# Altium PCB AC Current Sensor (Multicanal).PcbDoc
Units mm, origin at the board's own origin, x right, y up, seen from the top; angles counter-clockwise.
Board outline 100 x 50 mm, 2 copper layers (Top Layer, Bottom Layer); 6 components, 2 nets, 57 pads, 160 vias.
Unrouted connection lines stored in the file: 8.
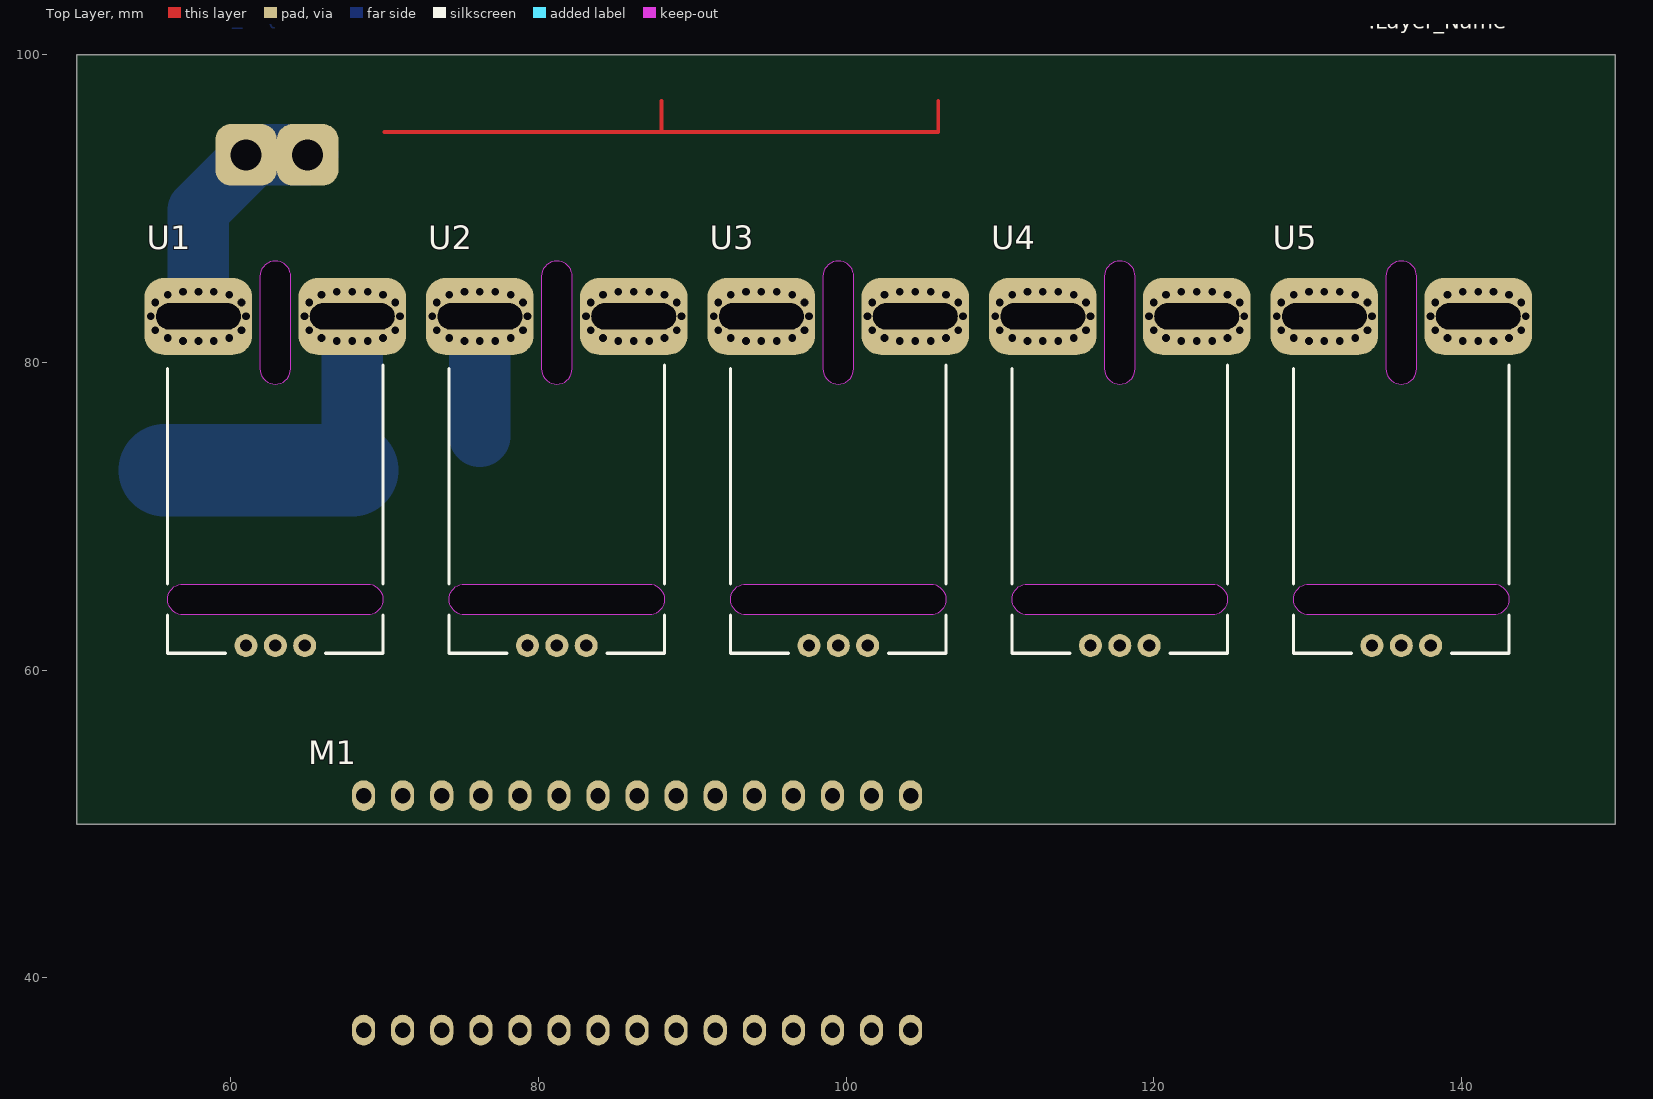
[diagram p0: Top Layer view]
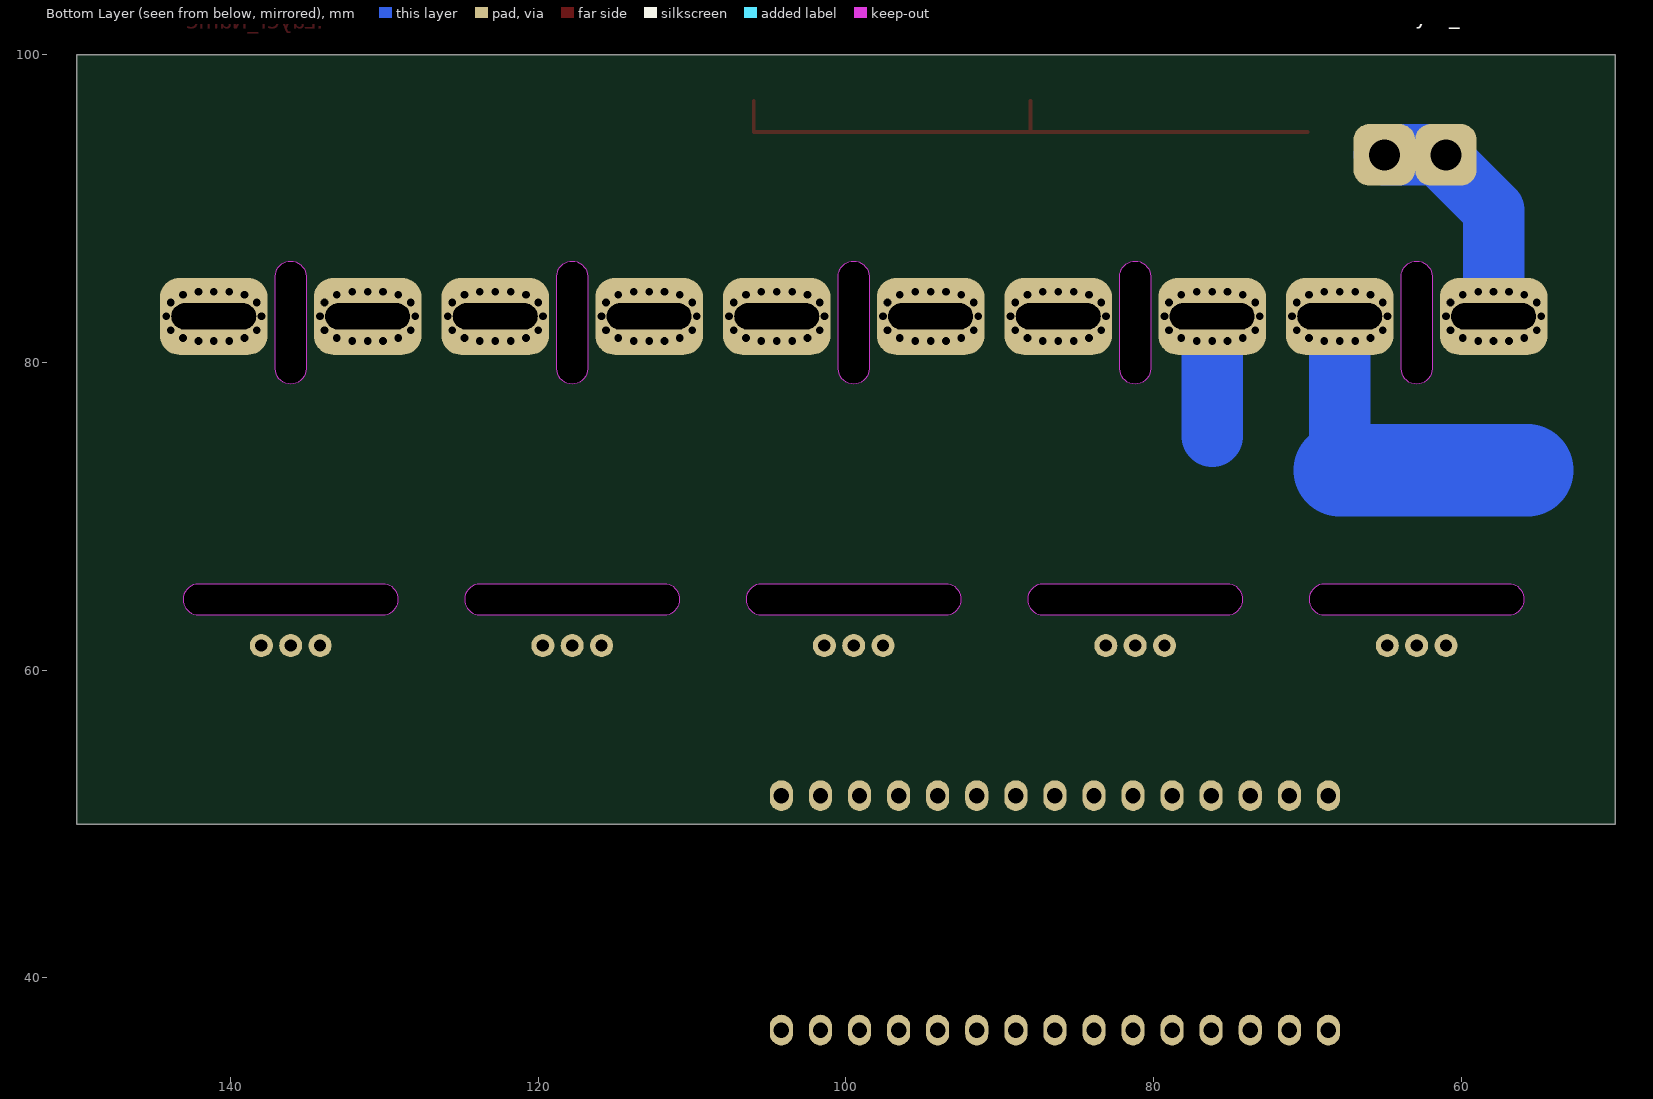
[diagram p1: Bottom Layer view, seen from below]

## Layer stack, top to bottom
Top Solder: solder mask 0.0102, Solder Resist, Dk 3.5
Top Layer: signal copper 0.0356
Dielectric 1: dielectric 0.32, FR-4, Dk 4.8
Bottom Layer: signal copper 0.0356
Bottom Solder: solder mask 0.0102, Solder Resist, Dk 3.5

## Board outline
50,50 150,50 150,100 50,100

## Design rules (kind name [scope] priority, off if disabled: settings)
Clearance [All] p1: gap=0.3 ignorepadtopadclearanceinfootprint=FALSE except(0: Arc-Hole Track-Hole SMDPad-Hole THPad-Hole Via-Hole Fill-Hole Poly-Hole Region-Hole Text-Hole)
ComponentClearance [All] p1: gap=0.01 collisioncheckmode=3 verticalgap=0.2 showdistances=FALSE
Height [All] p1: minheight=0 maxheight=25 prefheight=12.7
HoleSize [All] p1: absolutevalues=TRUE maxlimit=3.2 minlimit=0.4 maxpercent=80.000 minpercent=20.000
HoleToHoleClearance [All] p1: gap=0.2 allowstackedmicrovias=TRUE
PlaneClearance [All] p1: clearance=0.5
PlaneConnect [All] p1: planeconnectstyle=Relief reliefexpansion=0.508 reliefentries=4 reliefconductorwidth=0.5 reliefairgap=0.5
PolygonConnect [All] p1: connectstyle=Relief reliefconductorwidth=0.5 reliefentries=4 polygonreliefangle="90 Angle" airgapwidth=0.5
RoutingVias [All] p1: holewidth=0.7 width=1.5 viastyle="Through Hole" minholewidth=0.4 minwidth=0.4 maxholewidth=3.2 maxwidth=7
SilkToSilkClearance [All] p1: silktosilkclearance=0.05
SilkToSolderMaskClearance [IsPad] p1: minsilkscreentomaskgap=0.2 clearancetoexposedcopper=TRUE
SolderMaskExpansion [All] p1: expansion=0.1
Width [All] p1: maxlimit=6 minlimit=0.2 preferedwidth=0.5
22 further rules are at their usual default settings.

## Components (designator, comment, footprint, x,y, rotation, side; value= is the part's Value field where it differs from the comment)
M1 "Arduino Nano" "Arduino Nano" 104.2,36.6 r180 top
U1 "ASC 758" "CB-PFF (ACS758)" 62.9,61.6 r0 top
U2 "ASC 758" "CB-PFF (ACS758)" 81.2,61.6 r0 top
U3 "ASC 758" "CB-PFF (ACS758)" 99.5,61.6 r0 top
U4 "ASC 758" "CB-PFF (ACS758)" 117.8,61.6 r0 top
U5 "ASC 758" "CB-PFF (ACS758)" 136.1,61.6 r0 top

## Footprints (in the part's own frame and the unit in brackets; to place one, negate y for a bottom-side part, rotate by r counter-clockwise, add the part's x,y. Pads: shape width x height; smd on the part's side, far side on the other; paste and mask are expansions set on the pad)
"Arduino Nano" [mm]
  oval 1.5x2 hole 1: 3V3(2.54,-15.24) 5V(27.94,-15.24) A0(7.62,-15.24) A1(10.16,-15.24) A2(12.7,-15.24) A3(15.24,-15.24) A4(17.78,-15.24) A5(20.32,-15.24) A6(22.86,-15.24) A7(25.4,-15.24) AREF(5.08,-15.24) D2(25.4,0) D3(22.86,0) D4(20.32,0) D5(17.78,0) D6(15.24,0) D7(12.7,0) D8(10.16,0) D9(7.62,0) D10(5.08,0) D11(2.54,0) D12(0,0) D13(0,-15.24) GND(27.94,0) GND(33.02,-15.24) Reset(30.48,-15.24) Reset(30.48,0) RXD(33.02,0) TXD(35.56,0) VIN(35.56,-15.24)
  body extent -5.51,-16.53 39.41,1.27, height 21.18
"CB-PFF (ACS758)" [mm] "Allegro Current sensor"
  round 1.5 hole 0.8: 1(-1.91,0) 2(0,0) 3(1.91,0)
  rrect50% 7x5 hole 1.7 slot 5.5 at 0 deg: 4(-5,21.4) 5(5,21.4)
  Keep-Out Layer board cut-out: 6,2 -6,2 -6.383,2.076 -6.707,2.293 -6.924,2.617 -7,3 -7,3 -6.924,3.383 -6.707,3.707 -6.383,3.924 -6,4 -6,4 6,4 6.5,3.866 6.866,3.5 7,3 7,3 6.924,2.617 6.707,2.293 6.383,2.076 6,2
  Keep-Out Layer board cut-out: 0,17 0.5,17.134 0.866,17.5 1,18 1,18 1,24 0.924,24.383 0.707,24.707 0.383,24.924 0,25 0,25 -0.5,24.866 -0.866,24.5 -1,24 -1,24 -1,18 -0.866,17.5 -0.5,17.134 0,17
  silkscreen extent -7,-0.5 7,18.25, body extent -7,-0.55 7,22.2, height 7.1

## Part data
U1 U2 U3 U4 U5: library part ACS758-xxxx, "Current sensor ASC-758", Name="ASC 758"

## Free pads (board coordinates)
  rrect50% 4x4 hole 2: 2(61,93.5) 3(65,93.5)

## Via types
v1: diameter 0.6, hole 0.5, Top Layer to Bottom Layer, 160 vias

## Nets (pads, with @x,y where several pads share a name; then routed paths per layer and width w, separated by ;. In a path a pad name is that pad's centre, name@x,y a point inside that pad or via, vN(x,y) a via of type N, cw(c..) or ccw(c..) an arc to the next point about the centre after c; other vN are vias at no path point)
+5V: U1.1 U2.1 U3.1 U4.1 U5.1
GND: U1.2 U2.2 U3.2 U4.2 U5.2
pads on no net: M1.3V3 M1.5V M1.A0 M1.A1 M1.A2 M1.A3 M1.A4 M1.A5 M1.A6 M1.A7 M1.AREF M1.D2 M1.D3 M1.D4 M1.D5 M1.D6 M1.D7 M1.D8 M1.D9 M1.D10 M1.D11 M1.D12 M1.D13 M1.GND M1.Reset M1.RXD M1.TXD M1.VIN U1.3 U1.4 U1.5 U2.3 U2.4 U2.5 U3.3 U3.4 U3.5 U4.3 U4.4 U4.5 U5.3 U5.4 U5.5
copper on no net: | length 86.6
  Top Layer w0.254: 70,95 88,95 ; 88,97 88,95 ; 106,97 106,95 88,95
  Bottom Layer w2: 57.9,83 59.037,83
  Bottom Layer w4: 57.9,83 57.9,89.9 61.5,93.5 65,93.5 ; 67.9,73 67.9,83 ; 76.2,75.2 76.2,83
  Bottom Layer w6: 55.7,73 67.9,73
  other v1: 56.9,81.4 57.9,81.4 58.9,81.4 66.9,81.4 67.9,81.4 68.9,81.4 75.2,81.4 76.2,81.4 77.2,81.4 85.2,81.4 86.2,81.4 87.2,81.4 93.5,81.4 94.5,81.4 95.5,81.4 103.5,81.4 104.5,81.4 105.5,81.4 111.8,81.4 112.8,81.4 113.8,81.4 121.8,81.4 122.8,81.4 123.8,81.4 130.1,81.4 131.1,81.4 132.1,81.4 140.1,81.4 141.1,81.4 142.1,81.4 55.9,81.6 59.9,81.6 65.9,81.6 69.9,81.6 74.2,81.6 78.2,81.6 84.2,81.6 88.2,81.6 92.5,81.6 96.5,81.6 102.5,81.6 106.5,81.6 110.8,81.6 114.8,81.6 120.8,81.6 124.8,81.6 129.1,81.6 133.1,81.6 139.1,81.6 143.1,81.6 55.1,82.1 60.7,82.1 65.1,82.1 70.7,82.1 73.4,82.1 79,82.1 83.4,82.1 89,82.1 91.7,82.1 97.3,82.1 101.7,82.1 107.3,82.1 110,82.1 115.6,82.1 120,82.1 125.6,82.1 128.3,82.1 133.9,82.1 138.3,82.1 143.9,82.1 54.8,83 61,83 64.8,83 71,83 73.1,83 79.3,83 83.1,83 89.3,83 91.4,83 97.6,83 101.4,83 107.6,83 109.7,83 115.9,83 119.7,83 125.9,83 128,83 134.2,83 138,83 144.2,83 55.1,83.9 60.7,83.9 65.1,83.9 70.7,83.9 73.4,83.9 79,83.9 83.4,83.9 89,83.9 91.7,83.9 97.3,83.9 101.7,83.9 107.3,83.9 110,83.9 115.6,83.9 120,83.9 125.6,83.9 128.3,83.9 133.9,83.9 138.3,83.9 143.9,83.9 55.9,84.4 59.9,84.4 65.9,84.4 69.9,84.4 74.2,84.4 78.2,84.4 84.2,84.4 88.2,84.4 92.5,84.4 96.5,84.4 102.5,84.4 106.5,84.4 110.8,84.4 114.8,84.4 120.8,84.4 124.8,84.4 129.1,84.4 133.1,84.4 139.1,84.4 143.1,84.4 56.9,84.6 57.9,84.6 58.9,84.6 66.9,84.6 67.9,84.6 68.9,84.6 75.2,84.6 76.2,84.6 77.2,84.6 85.2,84.6 86.2,84.6 87.2,84.6 93.5,84.6 94.5,84.6 95.5,84.6 103.5,84.6 104.5,84.6 105.5,84.6 111.8,84.6 112.8,84.6 113.8,84.6 121.8,84.6 122.8,84.6 123.8,84.6 130.1,84.6 131.1,84.6 132.1,84.6 140.1,84.6 141.1,84.6 142.1,84.6

## Other copper
Top Layer:
  text ".Layer_Name" at 133.975,101.7 h1
Bottom Layer:
  text ".Layer_Name" at 65,102 h1

## Silkscreen, mask and mechanical layers (free items; w line width, h text height)
Top Overlay:
  text ".Layer_Name" at 133.975,101.7 h1
Bottom Overlay:
  text ".Layer_Name" at 65,102 h1
Top Solder:
  text ".Layer_Name" at 133.975,101.7 h1
Bottom Solder:
  text ".Layer_Name" at 65,102 h1
Mechanical 2:
  text "70 x 70 mm" at 51,105.25 h1
  text ": Def Plate" at 50.975,103.475 h1
  text ".Pcb_File_Name_No_Path" at 50.925,101.425 h1
Mechanical 3:
  text "70 x 70 mm" at 149,105.25 h1
  text ": Def Plate" at 148.975,103.475 h1
  text ".Pcb_File_Name_No_Path" at 148.925,101.425 h1

## Dimensions
50,49 to 150,49 on Mechanical 2
49,100 to 49,50 on Mechanical 2
49,100 to 49,50 on Mechanical 3
50,49 to 150,49 on Mechanical 3